# KiCad board ElonMux.kicad_pcb (continued)
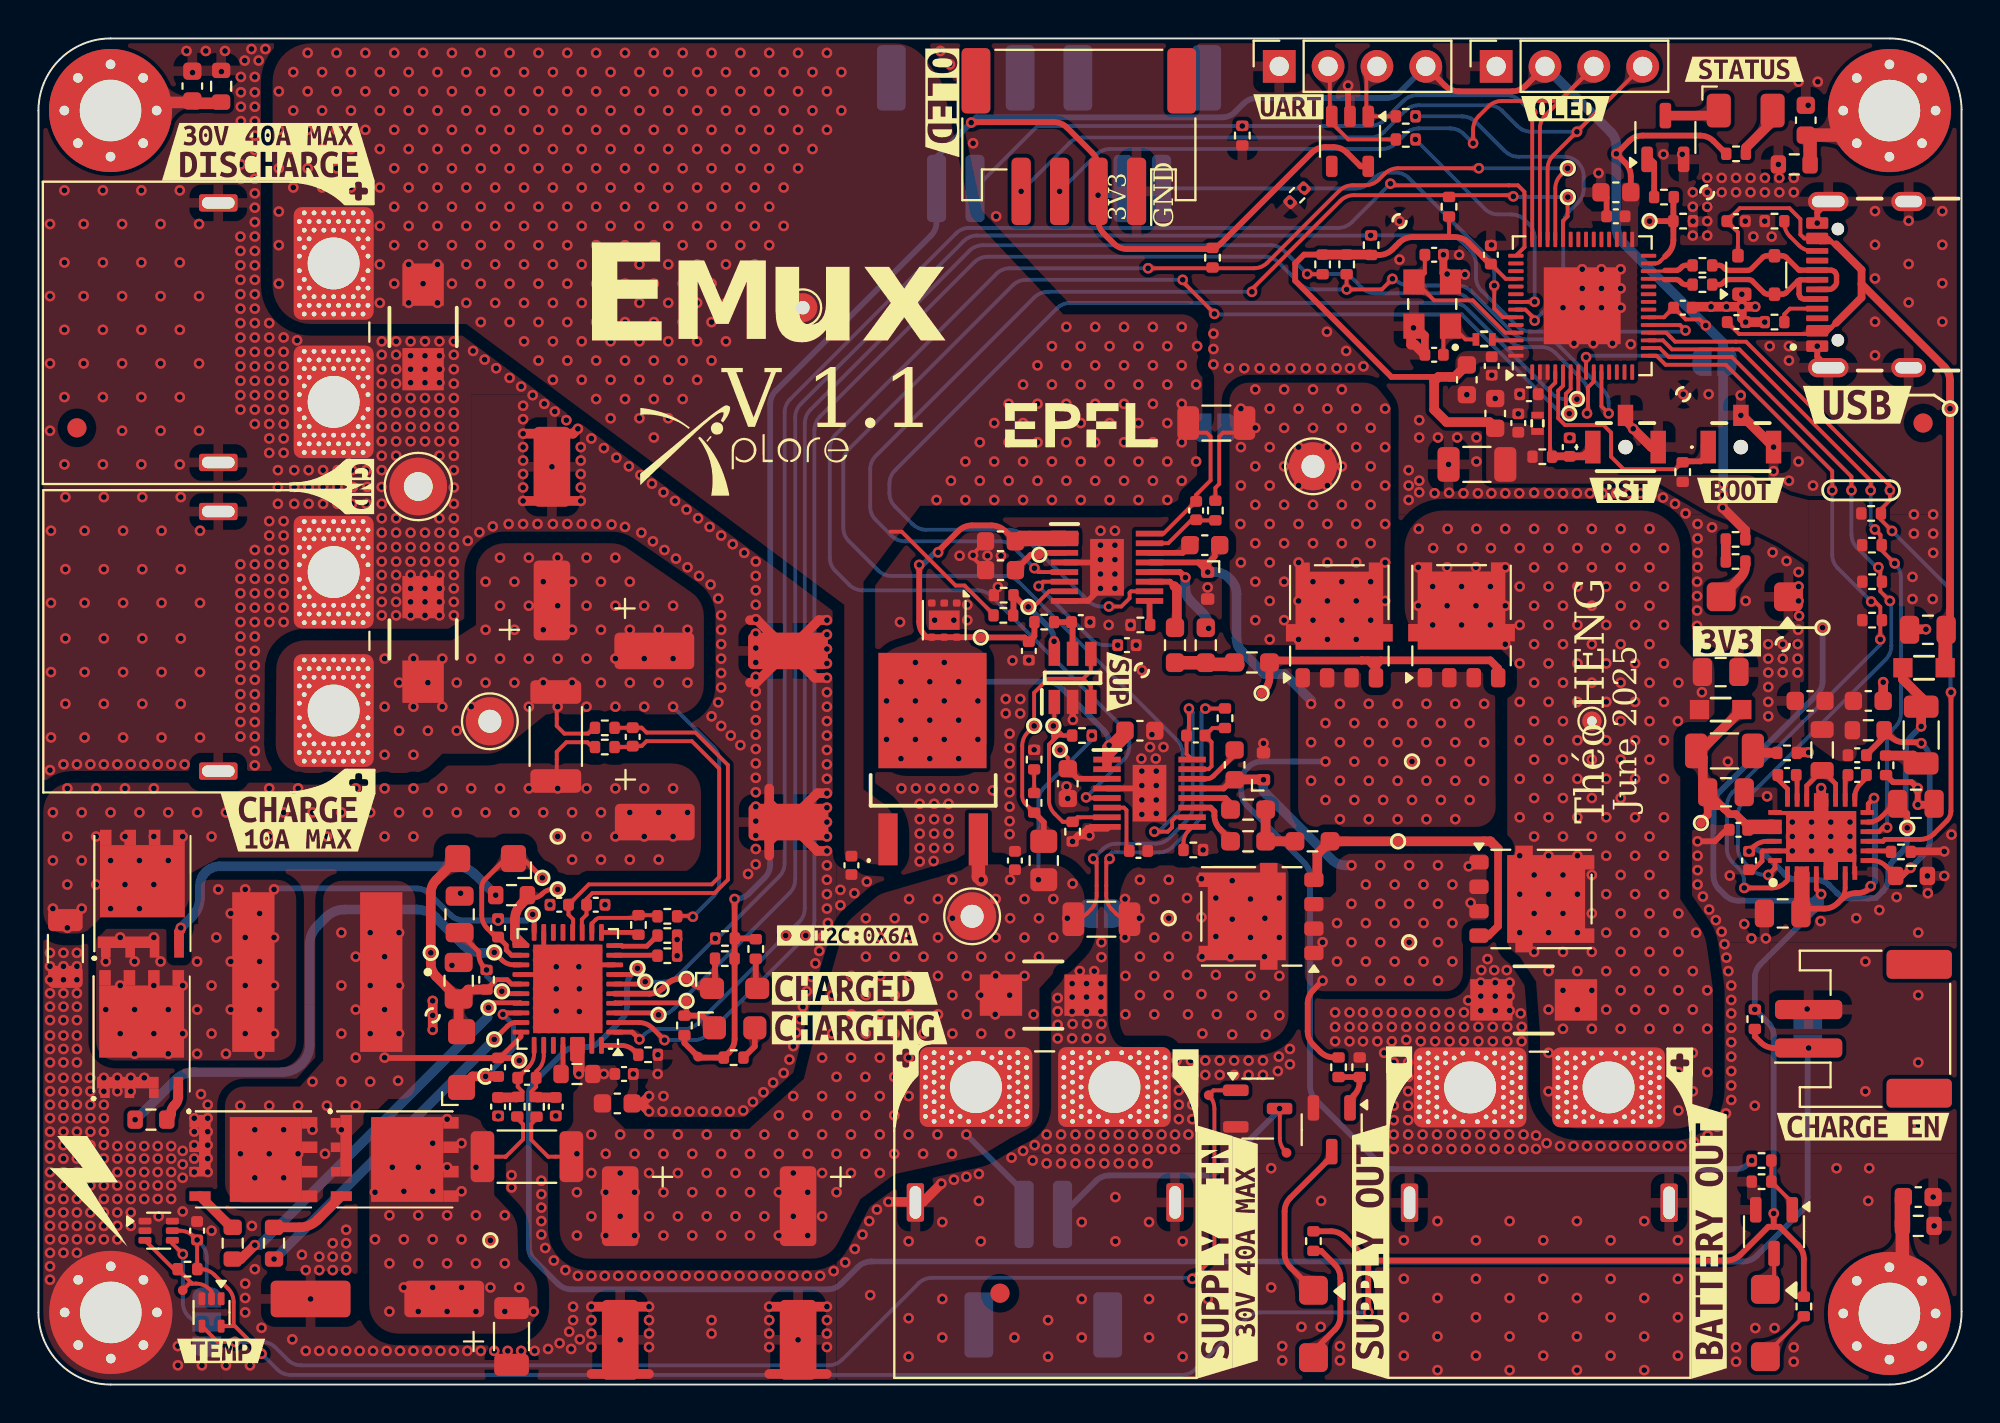
[diagram p0: board, top side]
## Text on the board (continued)
F.Dimensions: Prepreg | Core | F.Paste | F.Silkscreen | F.Mask | B.Mask | B.Silkscreen | B.Paste | 0.2030mm | 1.0300mm | Solder Resist | FR-4 | Paste Mask | Legend | Solder Mask | Dielectric | GBR | Total thickness: 1.64mm | Material | Layer | Thickness | Dielectric / Material | Type | Gerber | Note: external layer thicknesses are specified after plating. | 4 x ø3.2 mm | Copper | L1 (Sig, PWR) | L2 (GND) | L3 (GND) | L4 (Sig, PWR) | 0.002mm | 0.07mm (2oz) | 0.03mm (1oz) | Signal | Internal Plane | FABRICATION NOTES (UNLESS OTHERWISE SPECIFIED) / 1) 	OUTLINE DEFINED IN SEPARATE GERBER FILE WITH / {dblquote}Edge_Cuts.GBR{dblquote} SUFFIX. / DIMENSIONS OF CIRCUMSIZED RECTANGLE SHOWN / ON THIS DWG FOR REF ONLY. / 2) 	SEE SEPARATE DRILL FILES WITH {dblquote}.DRL{dblquote} SUFFIX FOR HOLE LOCATIONS. / SELECTED HOLE LOCATIONS SHOWN ON THIS DWG FOR REF ONLY. / 3)	IMPEDANCE CONTROL REQUIRED. / Microstrip 90-Ohm Differential (L1 ref. L2) / 0.2764mm width, 0.20mm spacing / 4) 	CONFIRM TRACE WIDTHS AND SPACINGS. / 5)	DESIGN GEOMETRY MINIMUM FEATURE SIZES: / TRACE WIDTH			0.20 mm / TRACE TO TRACE		0.2 mm / MIN. HOLE (PTH)		??? mm / MIN. HOLE (NPTH)	??? mm / ANNULAR RING		0.15 mm / COPPER TO HOLE		0.254 mm / COPPER TO EDGE		0.25 mm / HOLE TO HOLE		0.254 mm | All dimensions are in millimeters unless otherwise specified. | JLC041621-7628(Standard/Finished thickness1.64mm±10%) | Layer Stack Legend | Top Fabrication (Scale 1:1)
B.Dimensions: All dimensions are in millimeters unless otherwise specified. | Bottom Fabrication (Scale 1:1)
F.TestPointList: TP? / TP? / TP? | ??? / ??? / ??? | Ref. | Net | X [mm] | Y [mm] | Y | X | All dimensions are in millimeters unless otherwise specified. | Top Test Points (Scale 1:1)
B.TestPointList: ??? / ??? / ??? | TP? / TP? / TP? | Y [mm] | X [mm] | Net | Ref. | Y | X | All dimensions are in millimeters unless otherwise specified. | Bottom Test Points (Scale 1:1)
